# KiCad board MurPhySDR.kicad_pcb
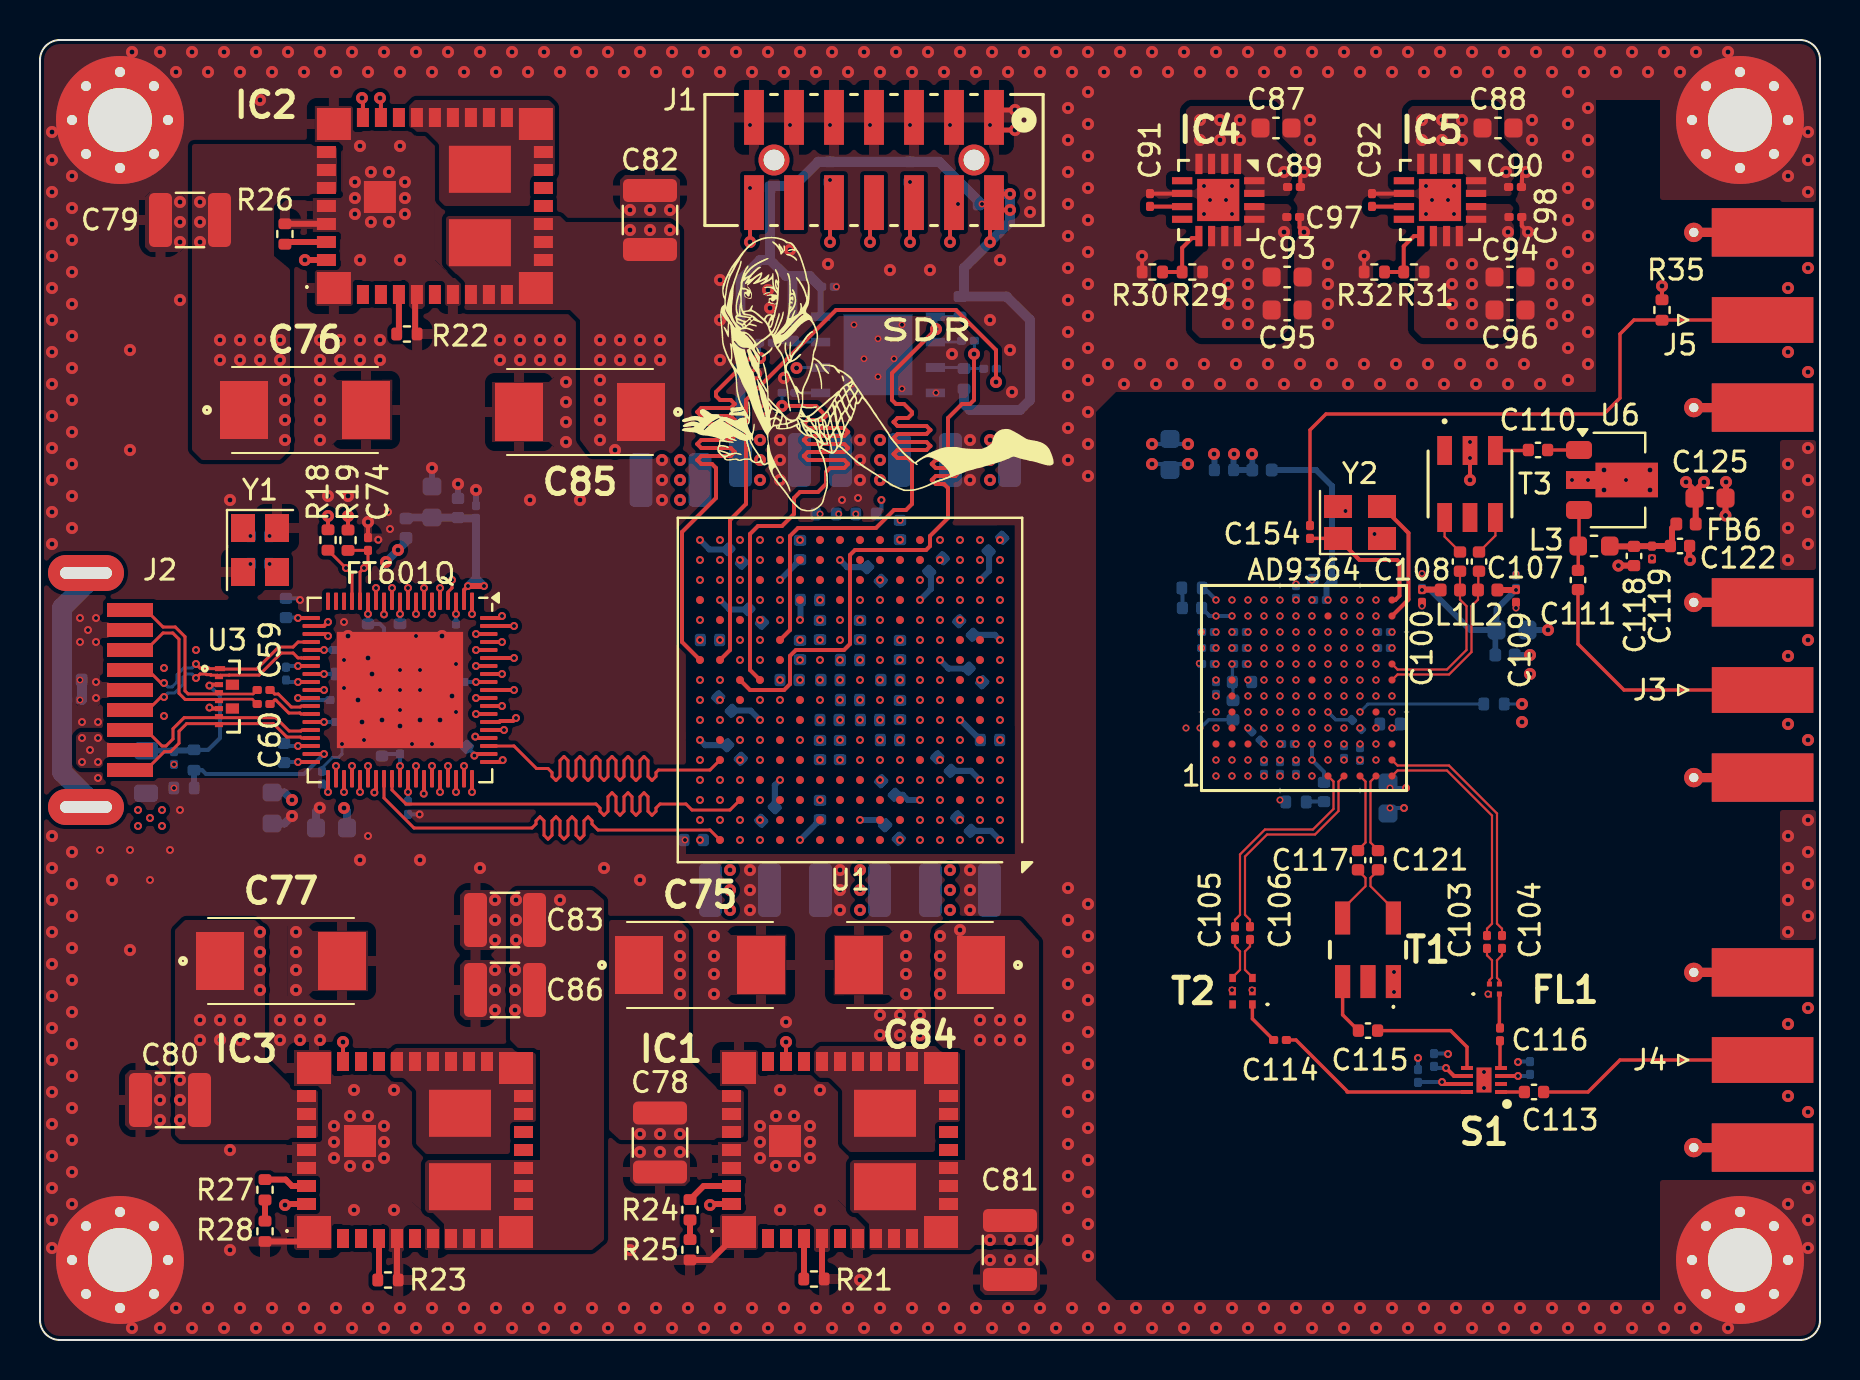
[diagram p0: board, top side]
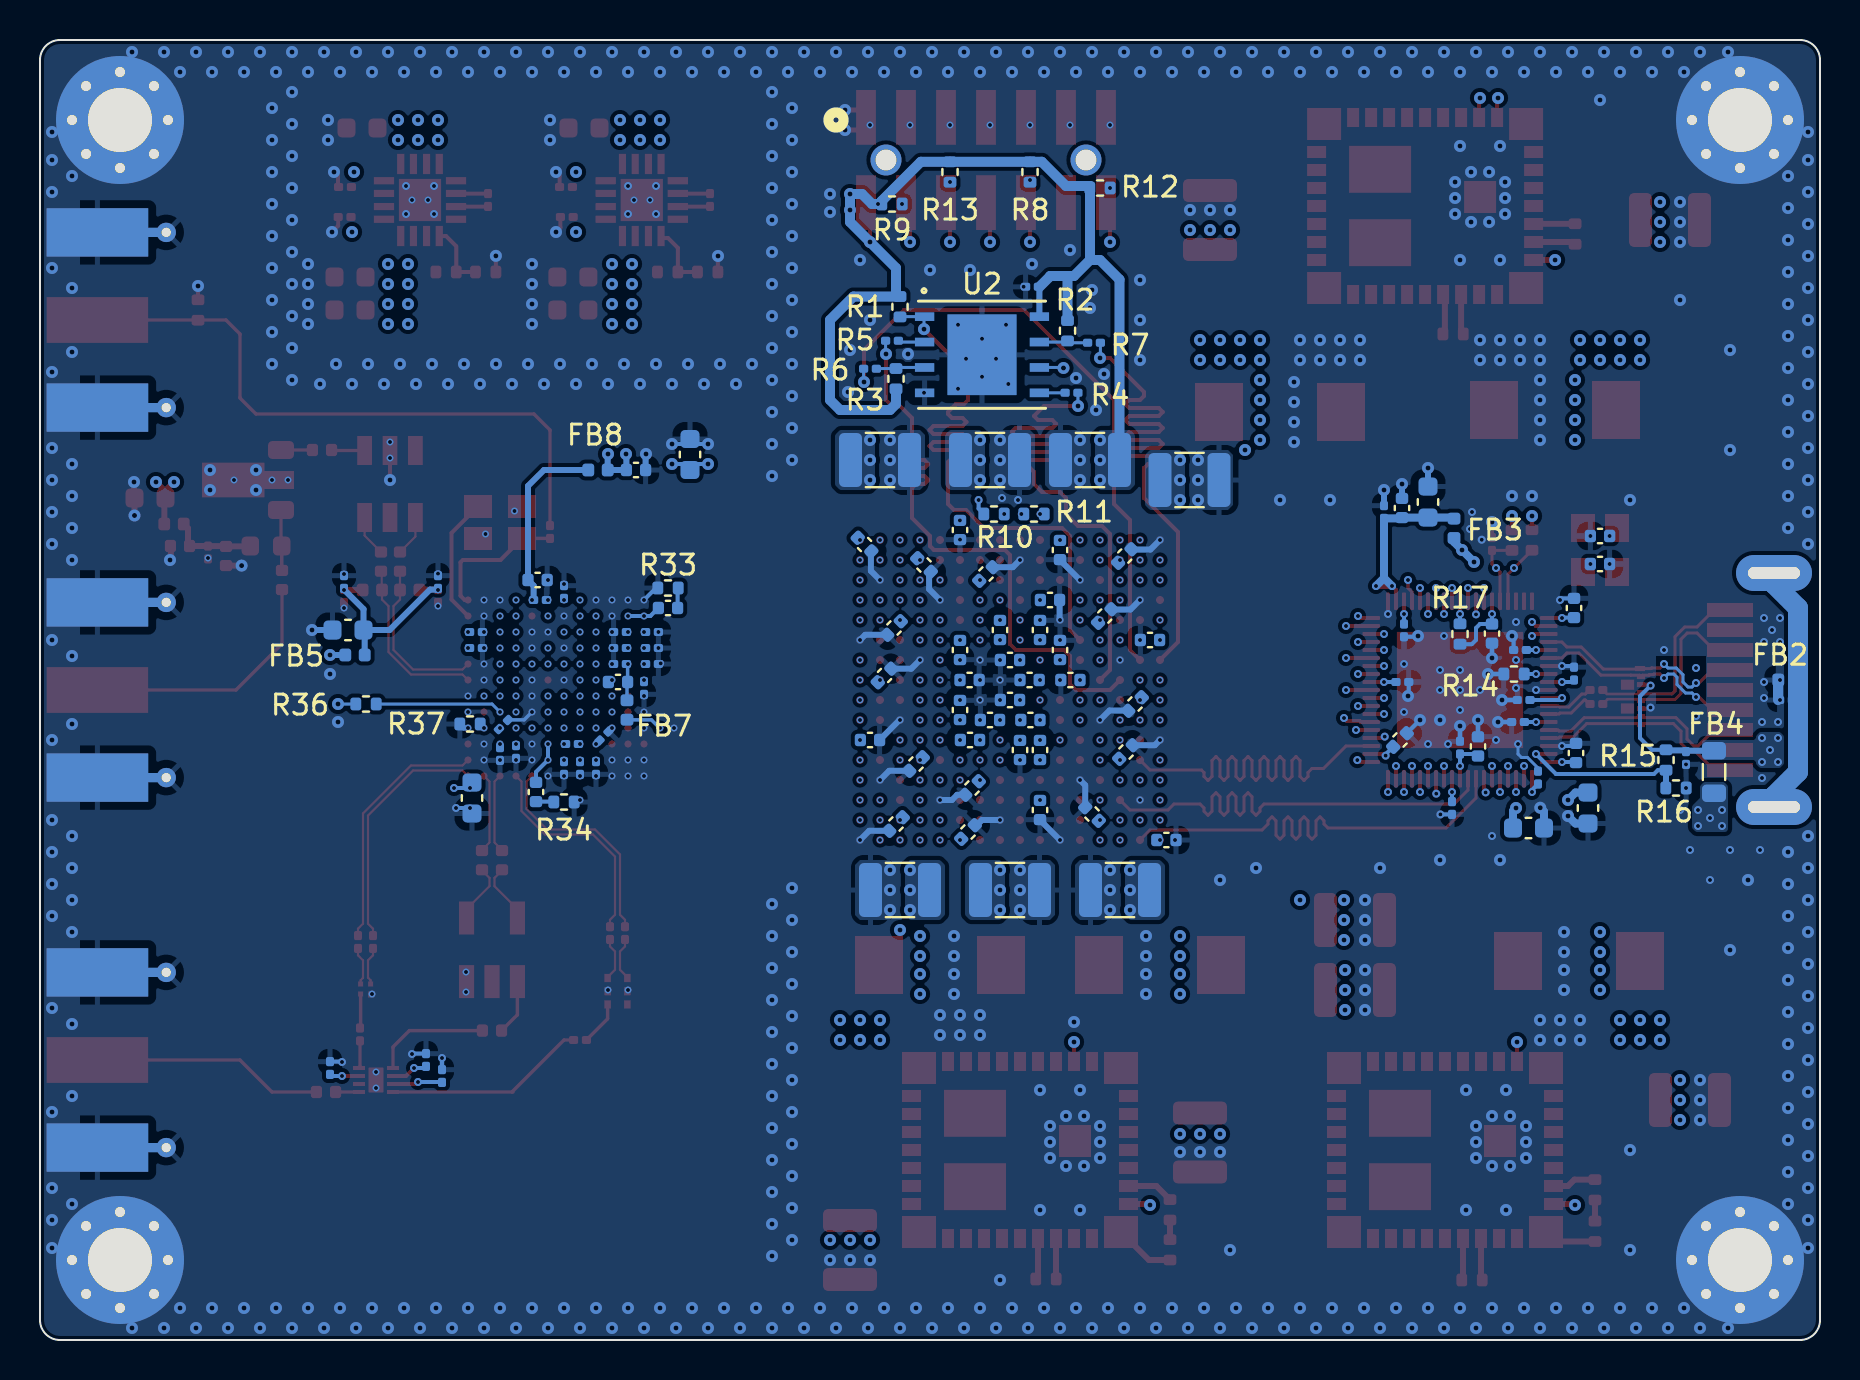
[diagram p1: board, bottom side, seen from below]

Outline 89 x 65 mm; copper layers: Top, In1.Cu (plane), In2.Cu, In3.Cu (plane), In4.Cu (plane), In5.Cu, In6.Cu (plane), Bottom. Coordinates in mm from the lower left corner of the outline.
Outline path: 0,64 arc(0.29,64.71) 1,65 88,65 arc(88.71,64.71) 89,64 89,1 arc(88.71,0.29) 88,0 1,0 arc(0.29,0.29) 0,1 0,64
Stack: Top 0.035mm / dielectric 0.109mm 2116 er 4.16 / In1.Cu 0.03mm / dielectric 0.1mm FR4 er 4.6 / In2.Cu 0.03mm / dielectric 0.109mm 2116 er 4.16 / dielectric 0.218mm 7628 er 4.4 / dielectric 0.109mm 2116 er 4.16 / In3.Cu 0.03mm / dielectric 0.1mm FR4 er 4.6 / In4.Cu 0.03mm / dielectric 0.109mm 2116 er 4.16 / dielectric 0.218mm 7628 er 4.4 / dielectric 0.109mm 2116 er 4.16 / In5.Cu 0.03mm / dielectric 0.1mm FR4 er 4.6 / In6.Cu 0.03mm / dielectric 0.109mm 2116 er 4.16 / Bottom 0.035mm

## Placement (name value [footprint] x y rotation side)
C1  47uF  [C_1210_3225Metric]  36.5 44 0 bottom
C2  47uF  [C_1210_3225Metric]  47 44 180 bottom
C3  47uF  [C_1210_3225Metric]  31.52 43 180 bottom
C4  4.7uF, 6.3V  [C_0402_1005Metric]  35.76 36.2 135 bottom
C5  4.7uF, 6.3V  [C_0402_1005Metric]  44.8 38.75 225 bottom
C6  47uF  [C_1210_3225Metric]  41.5 44 180 bottom
C7  4.7uF, 6.3V  [C_0402_1005Metric]  34.76 39.2 135 bottom
C8  4.7uF, 6.3V  [C_0402_1005Metric]  43 34.5 270 bottom
C9  4.7uF, 6.3V  [C_0402_1005Metric]  43 40.5 270 bottom
C10  470nF, 10V  [C_0402_1005Metric]  33.5 35 0 bottom
C11  470nF, 10V  [C_0402_1005Metric]  47.77 39.77 225 bottom
C12  4.7uF, 6.3V  [C_0402_1005Metric]  39.52 33 0 bottom
C13  470nF, 10V  [C_0402_1005Metric]  41.7 38.3 135 bottom
C15  470nF, 10V  [C_0402_1005Metric]  38 34.5 90 bottom
C16  470nF, 10V  [C_0402_1005Metric]  38.5 37 180 bottom
C18  47uF  [C_1210_3225Metric]  40.5 22.5 180 bottom
C19  470nF, 10V  [C_0402_1005Metric]  39 35.5 90 bottom
C20  470nF, 10V  [C_0402_1005Metric]  38 39.5 270 bottom
C21  470nF, 10V  [C_0402_1005Metric]  46.3 35.6 315 bottom
C22  470nF, 10V  [C_0402_1005Metric]  39 29.5 90 bottom
C23  470nF, 10V  [C_0402_1005Metric]  39.48 31 0 bottom
C24  47uF  [C_1210_3225Metric]  35 22.5 0 bottom
C25  47uF  [C_1210_3225Metric]  46 22.5 0 bottom
C26  4.7uF, 6.3V  [C_0402_1005Metric]  34.7 29.4 135 bottom
C27  4.7uF, 6.3V  [C_0402_1005Metric]  47.5 30 180 bottom
C28  4.7uF, 6.3V  [C_0402_1005Metric]  36.4 26.3 45 bottom
C29  4.7uF, 6.3V  [C_0402_1005Metric]  45.2 28.8 315 bottom
C30  470nF, 10V  [C_0402_1005Metric]  39 26.5 270 bottom
C31  470nF, 10V  [C_0402_1005Metric]  42.6 25.4 135 bottom
C32  470nF, 10V  [C_0402_1005Metric]  34.25 31.8 315 bottom
C33  470nF, 10V  [C_0402_1005Metric]  46.77 33.23 135 bottom
C35  470nF, 10V  [C_0402_1005Metric]  32.68 25 180 bottom
C36  470nF, 10V  [C_0402_1005Metric]  42.4 27.6 315 bottom
C37  4.7uF, 6.3V  [C_0402_1005Metric]  42.52 33 180 bottom
C38  470nF, 10V  [C_0402_1005Metric]  37.48 33 0 bottom
C39  470nF, 10V  [C_0402_1005Metric]  46.2 25.8 315 bottom
C40  4.7uF, 6.3V  [C_0402_1005Metric]  40.5 32 0 bottom
C41  4.7uF, 6.3V  [C_0402_1005Metric]  41.5 31 0 bottom
C42  470nF, 10V  [C_0402_1005Metric]  40.5 34 0 bottom
C43  470nF, 10V  [C_0402_1005Metric]  40 29.5 270 bottom
C44  470nF, 10V  [C_0402_1005Metric]  43 31.5 90 bottom
C45  470nF, 10V  [C_0402_1005Metric]  42.5 30 0 bottom
C46  470nF, 10V  [C_0402_1005Metric]  41 35.5 90 bottom
C47  100nF, 6.3V  [C_0201_0603Metric]  39.4 52.66 0 bottom
C48  100nF, 6.3V  [C_0201_0603Metric]  1.7 32 0 bottom
C49  10uF, 10V  [C_0603_1608Metric]  11.6 26.6 270 bottom
C50  10uF, 10V  [C_0603_1608Metric]  14.57 25.6 180 bottom
C51  10uF, 10V  [C_0603_1608Metric]  19.6 41.9 90 bottom
C52  1uF, 10V  [C_0402_1005Metric]  16.4 35.32 270 bottom
C53  1uF, 10V  [C_0402_1005Metric]  17.1 29.68 90 bottom
C54  10pF, 25V  [C_0402_1005Metric]  11 40.2 0 bottom
C55  1uF, 10V  [C_0402_1005Metric]  20.9 41.6 90 bottom
C56  100nF, 6.3V  [C_0201_0603Metric]  15 34.5 0 bottom
C57  100nF, 6.3V  [C_0201_0603Metric]  20.8 35.48 270 bottom
C58  100nF, 6.3V  [C_0201_0603Metric]  6.7 29.1 270 bottom
C59  100nF, 6.3V  [C_0201_0603Metric]  11.18 32.5 0 top
C60  100nF, 6.3V  [C_0201_0603Metric]  11.18 31.8 0 top
C61  100nF, 6.3V  [C_0201_0603Metric]  21.8 41.4 90 bottom
C62  1uF, 10V  [C_0402_1005Metric]  12.3 36.6 90 bottom
C63  100nF, 6.3V  [C_0201_0603Metric]  18 29.62 90 bottom
C64  10pF, 25V  [C_0402_1005Metric]  11 38.8 180 bottom
C65  100nF, 6.3V  [C_0201_0603Metric]  12.3 33.32 90 bottom
C66  100nF, 6.3V  [C_0201_0603Metric]  14.82 32 0 bottom
C67  1uF, 10V  [C_0402_1005Metric]  12.2 29.35 90 bottom
C68  100nF, 6.3V  [C_0201_0603Metric]  15.1 30.9 0 bottom
C69  100nF, 6.3V  [C_0201_0603Metric]  18.4 26.6 270 bottom
C70  100nF, 6.3V  [C_0201_0603Metric]  14.1 28.12 90 bottom
C71  1uF, 10V  [C_0402_1005Metric]  21 30 135 bottom
C73  100nF, 6.3V  [C_0201_0603Metric]  20.88 32.9 180 bottom
C74  100nF, 6.3V  [C_0201_0603Metric]  16.4 39.8 90 top
C75  330uF  [6TPE330MFL]  33 18.75 0 top
C76  330uF  [6TPE330MFL]  13.25 46.5 0 top
C77  330uF  [6TPE330MFL]  12.05 18.95 0 top
C78  47uF  [C_1210_3225Metric]  31 9.88 270 top
C79  47uF  [C_1210_3225Metric]  7.5 56 180 top
C80  47uF  [C_1210_3225Metric]  6.5 12 180 top
C81  47uF  [C_1210_3225Metric]  48.5 4.5 270 top
C82  47uF  [C_1210_3225Metric]  30.5 56 90 top
C83  47uF  [C_1210_3225Metric]  23.25 21 180 top
C84  330uF  [6TPE330MFL]  44 18.75 180 top
C85  330uF  [6TPE330MFL]  27 46.4 180 top
C86  47uF  [C_1210_3225Metric]  23.25 17.5 180 top
C87  10uF, 10V  [C_0603_1608Metric]  61.8 60.6 0 top
C88  10uF, 10V  [C_0603_1608Metric]  72.9 60.6 0 top
C89  100nF, 6.3V  [C_0201_0603Metric]  62.7 57.65 0 top
C90  100nF, 6.3V  [C_0201_0603Metric]  73.75 57.65 0 top
C91  1nF, 50V  [C_0201_0603Metric]  55.5 57 90 top
C92  1nF, 50V  [C_0201_0603Metric]  66.6 57 90 top
C93  10uF, 10V  [C_0603_1608Metric]  62.36 53.15 0 top
C94  10uF, 10V  [C_0603_1608Metric]  73.5 53.15 0 top
C95  10uF, 10V  [C_0603_1608Metric]  62.36 51.5 0 top
C96  10uF, 10V  [C_0603_1608Metric]  73.5 51.5 0 top
C97  100nF, 6.3V  [C_0201_0603Metric]  62.66 56.15 0 top
C98  100nF, 6.3V  [C_0201_0603Metric]  73.77 56.15 0 top
C99  10uF, 10V  [C_0603_1608Metric]  73.6 35.5 0 bottom
C100  1nF, 50V  [C_0201_0603Metric]  69.1 37.2 270 top
C101  100nF, 6.3V  [C_0201_0603Metric]  67.2 34.6 180 bottom
C102  100nF, 6.3V  [C_0201_0603Metric]  69.1 37.9 90 bottom
C103  4.7pF, 50V  [C_0201_0603Metric]  72.35 19.9 270 top
C104  4.7pF, 50V  [C_0201_0603Metric]  73.1 19.9 270 top
C105  22pF, 50V  [C_0201_0603Metric]  59.75 20.34 270 top
C106  22pF, 50V  [C_0201_0603Metric]  60.5 20.34 270 top
C107  100pF, 25V RF caps  [C_0402_1005Metric]  71.95 38.92 90 top
C108  100pF, 25V RF caps  [C_0402_1005Metric]  71 38.92 90 top
C109  1nF, 50V  [C_0201_0603Metric]  73.8 37.2 270 top
C110  100pF, 25V RF caps  [C_0402_1005Metric]  74.9 44.5 0 top
C111  100pF, 25V RF caps  [C_0402_1005Metric]  76.9 38 270 top
C112  100nF, 6.3V  [C_0201_0603Metric]  73.8 37.9 90 bottom
C113  100pF, 25V RF caps  [C_0402_1005Metric]  74.7 12.4 0 top
C114  22pF, 50V  [C_0201_0603Metric]  62 15 0 top
C115  100pF, 25V RF caps  [C_0402_1005Metric]  66.4 15.47 0 top
C116  4.7pF, 50V  [C_0201_0603Metric]  73 15.28 270 top
C117  100pF, 25V RF caps  [C_0402_1005Metric]  65.9 23.99 270 top
C118  68pF  [C_0402_1005Metric]  79.7 39.2 270 top
C119  1nF, 50V  [C_0201_0603Metric]  80.6 39.38 270 top
C120  1nF, 50V  [C_0201_0603Metric]  68.9 13.2 90 bottom
C121  100pF, 25V RF caps  [C_0402_1005Metric]  66.9 23.99 270 top
C122  1uF, 10V  [C_0402_1005Metric]  82 39.7 180 top
C123  1nF, 50V  [C_0201_0603Metric]  69.7 14 90 bottom
C124  1nF, 50V  [C_0201_0603Metric]  74.5 13.6 90 bottom
C125  10uF, 10V  [C_0603_1608Metric]  83.5 42.1 0 top
C129  10uF, 10V  [C_0603_1608Metric]  67.4 27.1 270 bottom
C130  10uF, 10V  [C_0603_1608Metric]  56.5 44.28 90 bottom
C131  100nF, 6.3V  [C_0201_0603Metric]  62.8 28.6 270 bottom
C132  100nF, 6.3V  [C_0201_0603Metric]  58.8 32.6 270 bottom
C133  100nF, 6.3V  [C_0201_0603Metric]  62 28.6 270 bottom
C134  100nF, 6.3V  [C_0201_0603Metric]  58.4 35.4 180 bottom
C135  100nF, 6.3V  [C_0201_0603Metric]  65.2 29.4 270 bottom
C136  100nF, 6.3V  [C_0201_0603Metric]  61.2 28.6 270 bottom
C137  100nF, 6.3V  [C_0201_0603Metric]  60 35.4 0 bottom
C138  100nF, 6.3V  [C_0201_0603Metric]  60 33.8 0 bottom
C139  100nF, 6.3V  [C_0201_0603Metric]  64 37 180 bottom
C140  1uF, 10V  [C_0402_1005Metric]  57.6 36.6 0 bottom
C141  1uF, 10V  [C_0402_1005Metric]  64.2 27.4 90 bottom
C142  100nF, 6.3V  [C_0201_0603Metric]  62.4 29.8 0 bottom
C143  100nF, 6.3V  [C_0201_0603Metric]  66 29.3 270 bottom
C144  1uF, 10V  [C_0402_1005Metric]  64.12 38 180 bottom
C145  1uF, 10V  [C_0402_1005Metric]  60.1 32.9 0 bottom
C146  100nF, 6.3V  [C_0201_0603Metric]  62.8 37.4 90 bottom
C147  100nF, 6.3V  [C_0201_0603Metric]  60 34.6 0 bottom
C148  100nF, 6.3V  [C_0201_0603Metric]  67.2 35.4 180 bottom
C149  100nF, 6.3V  [C_0201_0603Metric]  65.83 30.77 135 bottom
C150  1uF, 10V  [C_0402_1005Metric]  59.2 43.5 180 bottom
C151  100nF, 6.3V  [C_0201_0603Metric]  60.8 30.2 135 bottom
C152  100nF, 6.3V  [C_0201_0603Metric]  58.4 34.6 180 bottom
C153  100nF, 6.3V  [C_0201_0603Metric]  58.4 33.8 180 bottom
C154  100nF, 6.3V  [C_0201_0603Metric]  63.5 40.4 90 top
FB2  220R, 0.9A  [L_0402_1005Metric]  1.6 33 0 bottom
FB3  220R, 0.9A  [L_0402_1005Metric]  18.3 40.59 90 bottom
FB4  600R, 2A  [L_0805_2012Metric]  5.3 28.4 270 bottom
FB5  220R, 0.9A  [L_0402_1005Metric]  73.25 34.25 0 bottom
FB6  220R, 0.9A  [L_0402_1005Metric]  82.3 40.8 0 top
FB7  220R, 0.9A  [L_0402_1005Metric]  59.65 31.5 270 bottom
FB8  220R, 0.9A  [L_0402_1005Metric]  61.1 43.5 180 bottom
FL1  BD3150N50100AHF-CUSTOM  [BD3150N50100AHF]  72.72 17.55 180 top
G***  -  [LOGO]  41.1 48.1 0 top
H1  MountingHole_Pad  [MountingHole_3.2mm_M3_Pad_Via]  85 4 0 top
H2  MountingHole_Pad  [MountingHole_3.2mm_M3_Pad_Via]  4 4 0 top
H3  MountingHole_Pad  [MountingHole_3.2mm_M3_Pad_Via]  85 61 0 top
H4  MountingHole_Pad  [MountingHole_3.2mm_M3_Pad_Via]  4 61 0 top
IC1  -  [LMZ30604RKGT]  40 9.5 0 top
IC2  -  [LMZ30604RKGT]  19.75 56.7 0 top
IC3  -  [LMZ30604RKGT]  18.75 9.5 0 top
IC4  ADP1755ACPZ-R7  [QFN65P400X400X100-17N]  58.91 57 270 top
IC5  ADP1755ACPZ-R7  [QFN65P400X400X100-17N]  70 57 270 top
J1  878321420  [CONN_87832-1420_MOL]  41.7 59 180 top
J2  USB3_A  [USB3.0-A-SMD_U237-091N-4BLVS10-1]  3.4 32.5 270 top
J3  Conn_Coaxial  [SMA_Molex_73251-1153_EdgeMount_Horizontal]  84.41 32.5 180 top
J4  Conn_Coaxial  [SMA_Molex_73251-1153_EdgeMount_Horizontal]  84.41 14 180 top
J5  Conn_Coaxial  [SMA_Molex_73251-1153_EdgeMount_Horizontal]  84.41 51 180 top
L1  330nH  [L_0402_1005Metric]  70.51 37.5 0 top
L2  330nH  [L_0402_1005Metric]  72.38 37.5 180 top
L3  43nH  [L_0603_1608Metric]  77.7 39.7 180 top
R1  4k7, 1%  [R_0402_1005Metric]  46 51.66 270 bottom
R2  4k7, 1%  [R_0402_1005Metric]  37.62 50.46 270 bottom
R3  4k7, 1%  [R_0402_1005Metric]  46.2 48.06 90 bottom
R4  15R, 1%  [R_0201_0603Metric]  37.42 47.36 180 bottom
R5  15R, 1%  [R_0201_0603Metric]  46.4 49.96 0 bottom
R6  15R, 1%  [R_0201_0603Metric]  47.5 48.56 0 bottom
R7  15R, 1%  [R_0201_0603Metric]  36.3 49.86 180 bottom
R8  10k, 0.1%  [R_0402_1005Metric]  39.5 58.4 270 bottom
R9  10k, 0.1%  [R_0402_1005Metric]  46.4 56.8 180 bottom
R10  4k7, 1%  [R_0402_1005Metric]  41.3 41.3 0 bottom
R11  4k7, 1%  [R_0402_1005Metric]  39.3 41.3 180 bottom
R12  4k7, 1%  [R_0402_1005Metric]  36 57.6 180 bottom
R13  10k, 0.1%  [R_0402_1005Metric]  43.5 58.4 270 bottom
R14  1k6, 0.1%  [R_0402_1005Metric]  15.3 33.3 0 bottom
R15  4k7, 1%  [R_0402_1005Metric]  7.7 29 90 bottom
R16  10k, 0.1%  [R_0402_1005Metric]  7.2 27.6 180 bottom
R17  10k, 0.1%  [R_0402_1005Metric]  18 35.3 90 bottom
R18  10k, 0.1%  [R_0402_1005Metric]  14.4 40 270 top
R19  10k, 0.1%  [R_0402_1005Metric]  15.4 39.99 270 top
R21  1M2, 1%  [R_0402_1005Metric]  38.7 3.05 0 top
R22  348k, 1%  [R_0402_1005Metric]  18.35 50.3 0 top
R23  348k, 1%  [R_0402_1005Metric]  17.4 3 0 top
R24  4k7, 1%  [R_0402_1005Metric]  32.5 6.51 270 top
R25  1k15, 1%  [R_0402_1005Metric]  32.5 4.51 270 top
R26  1k15, 1%  [R_0402_1005Metric]  12.25 55.3 90 top
R27  453R, 1%  [R_0402_1005Metric]  11.25 7.51 270 top
R28  6.04R, 1%  [R_0402_1005Metric]  11.25 5.44 270 top
R29  16k  [R_0402_1005Metric]  57.62 53.4 180 top
R30  10k, 0.1%  [R_0402_1005Metric]  55.62 53.4 180 top
R31  16k  [R_0402_1005Metric]  68.7 53.4 180 top
R32  10k, 0.1%  [R_0402_1005Metric]  66.72 53.4 180 top
R33  1R  [R_0402_1005Metric]  57.6 37.6 0 bottom
R34  1R  [R_0402_1005Metric]  62.8 26.9 180 bottom
R35  49.9R, 1%  [R_0402_1005Metric]  81.1 51.5 90 top
R36  10k, 0.1%  [R_0402_1005Metric]  72.7 31.8 180 bottom
R37  14k3, 1%  [R_0402_1005Metric]  67.5 30.8 180 bottom
S1  SKY13317-373LF  [SON40P155X155X50-9N_(SKY13317-373LF)]  72.2 13 180 top
T1  TC1-1-13M+  [TC1113MA]  66.4 19.51 180 top
T2  BD1631J50100AHF-CUSTOM  [BD1631J50100AHF]  60.12 17.44 90 top
T3  -  [TCM1-63AX+]  71.5 42.8 270 top
U1  XC7A50T-2FTG256I  [Xilinx_FTG256]  40.5 32.5 180 top
U2  MX25L25645GZNI-08G-CUSTOM  [WSON8_6X5_MAC]  41.9 49.26 180 bottom
U3  ESD7016  [UDFN8_3P3X1_517CB_ONS]  9.35 32.17 0 top
U4  FT601Q  [QFN-76-1EP_9x9mm_P0.4mm_EP5.81x6.31mm]  18 32.5 270 top
U5  -  [AD9364]  63.2 32.6 90 top
U6  ADL5611  [SOT-89-3]  78.9 43 0 top
Y1  30MHz crystal  [Crystal_SMD_3225-4Pin_3.2x2.5mm]  11 39.5 270 top
Y2  X1E0000210808 40MHz  [Crystal_SMD_SeikoEpson_TSX3225-4Pin_3.2x2.5mm]  66 40.88 0 top
